# Altium PCB LPCXpresso55SXX.PcbDoc (part 4 of 4) (continued)
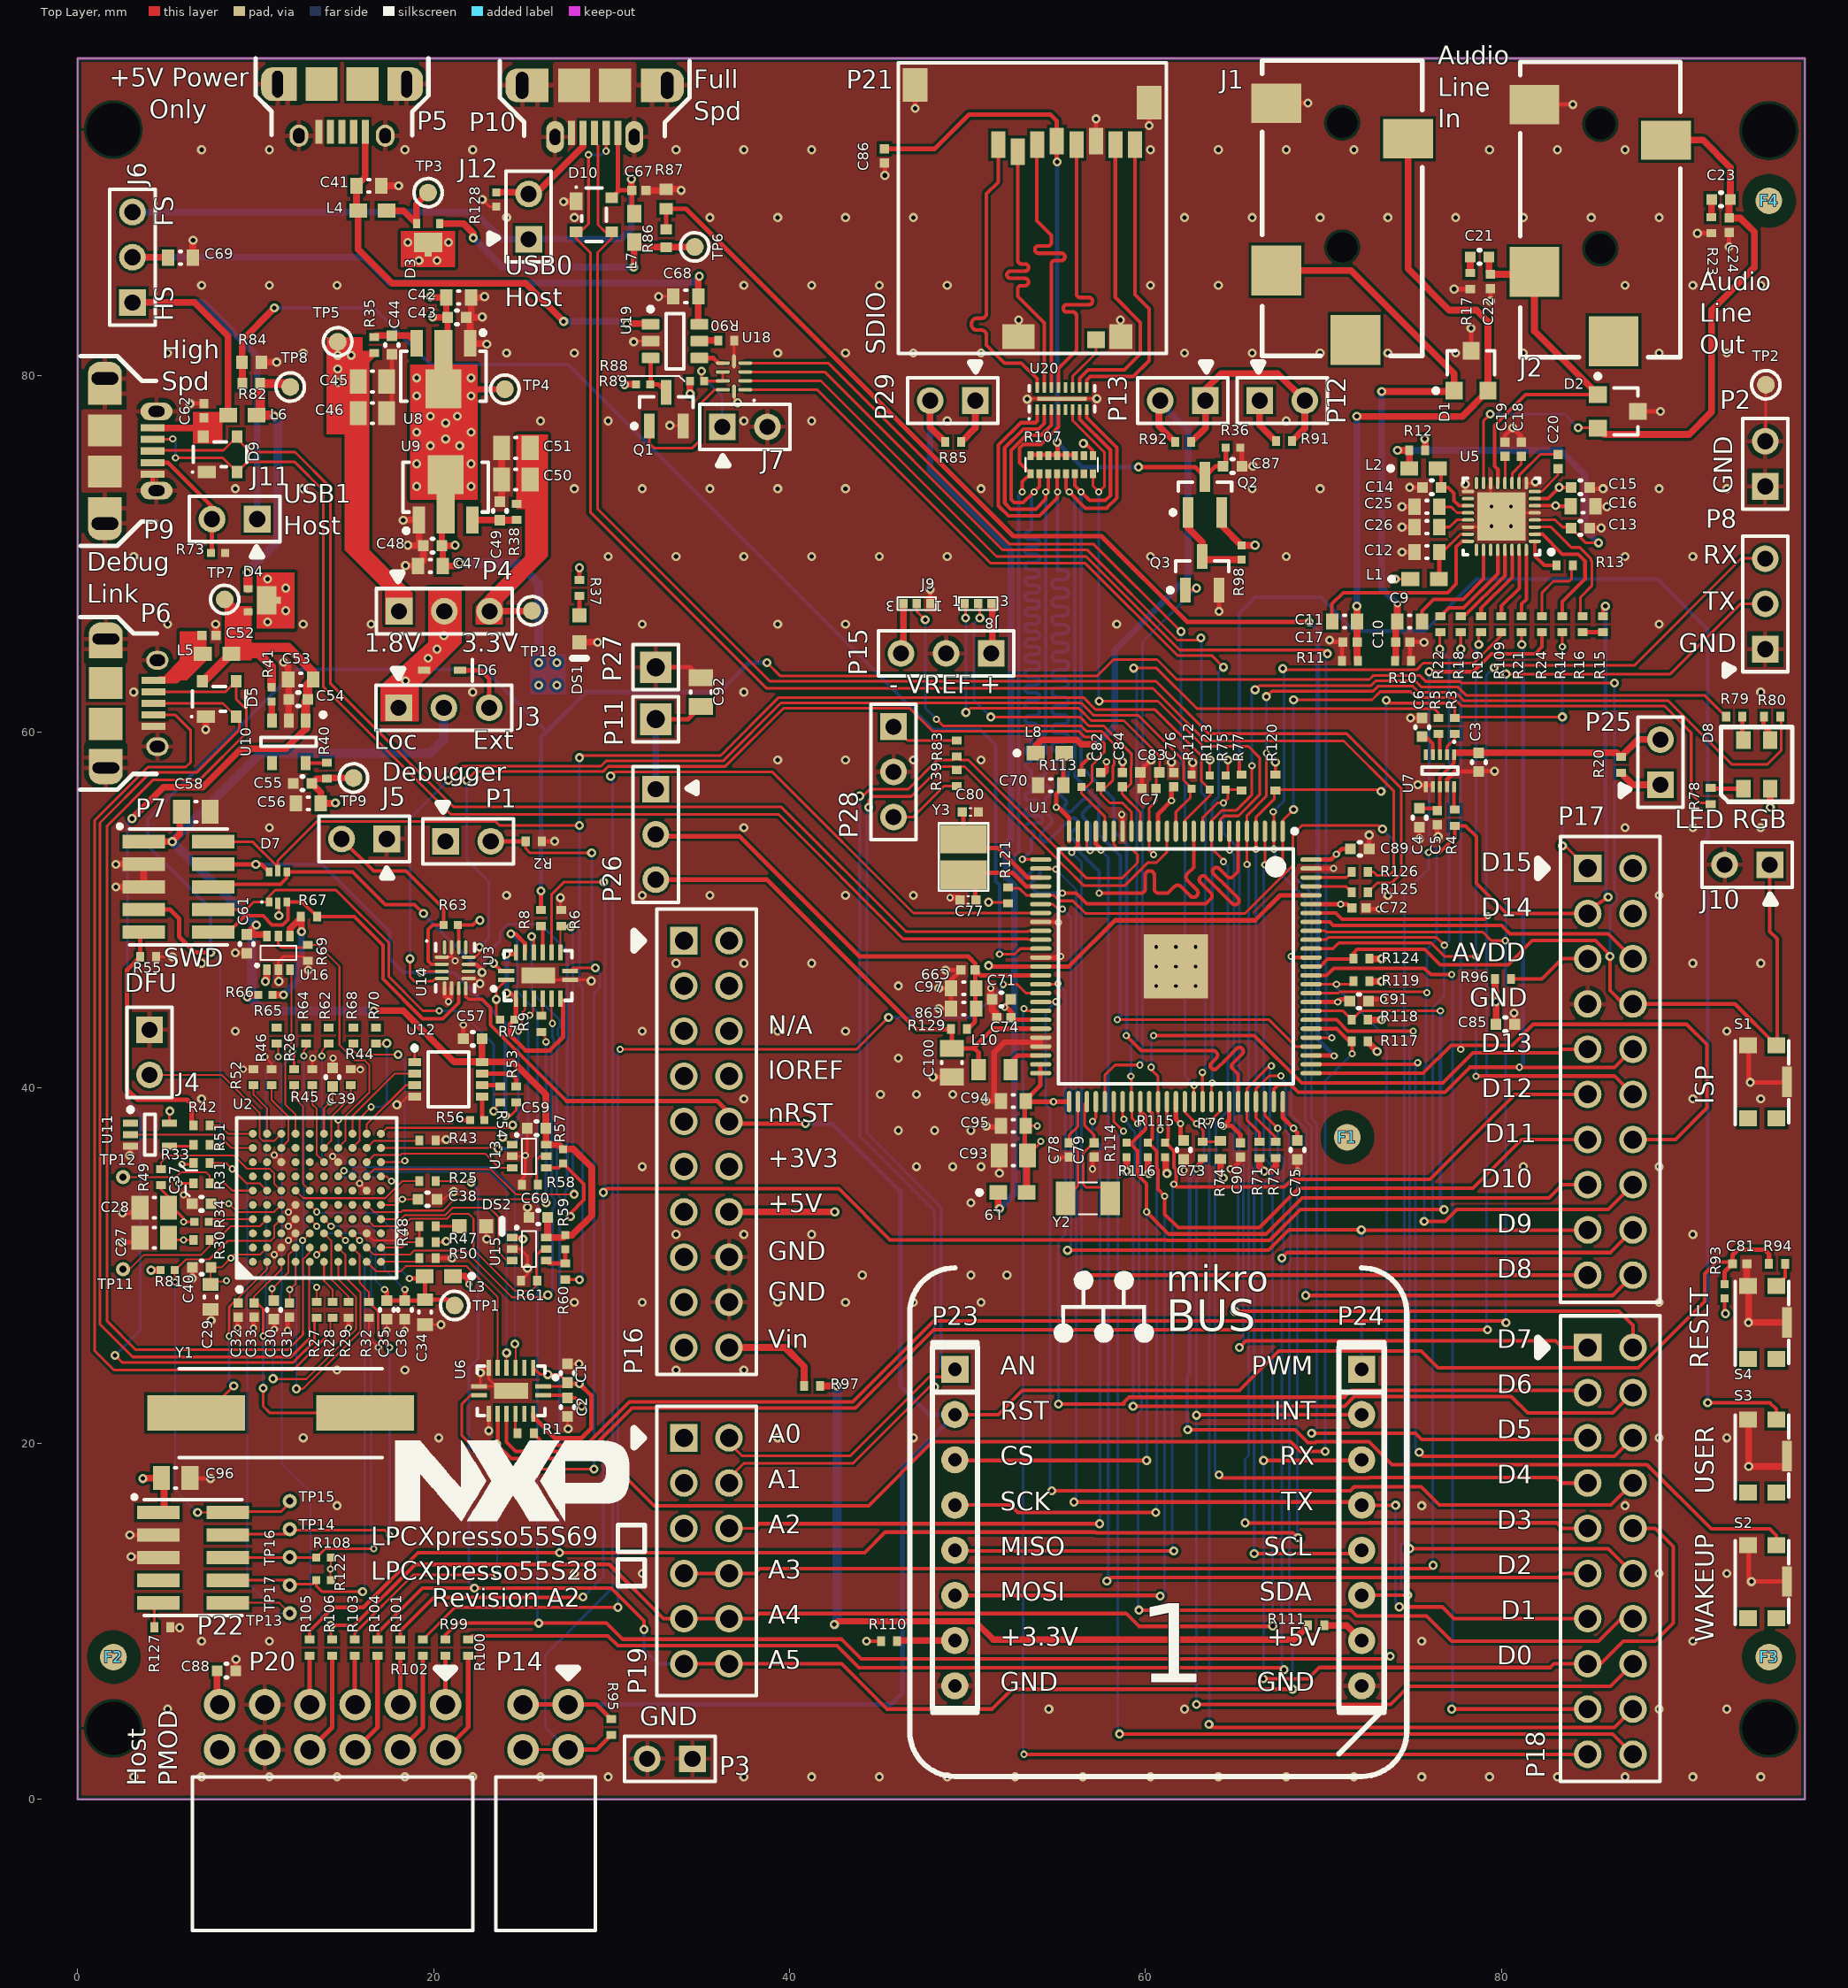
[diagram p0: Top Layer view]
## Nets (pads, with @x,y where several pads share a name; then routed paths per layer and width w, separated by ;. In a path a pad name is that pad's centre, name@x,y a point inside that pad or via, vN(x,y) a via of type N, cw(c..) or ccw(c..) an arc to the next point about the centre after c; other vN are vias at no path point) (continued)
TRACE_D2: R68.1 U2.K8 | length 10.5
  Top Layer w0.102: R68.1@15.462,42.432 15.462,42.112 15.716,41.858 v1(18.002,41.858) ; U2.K8@17.036,35.813 18.307,35.813 v2(18.383,35.889)
  Bottom Layer w0.102: v1(18.002,41.858) 18.383,41.477 v2(18.383,35.889)
TRACE_D3: R70.1 U2.H9 | length 7.7
  Top Layer w0.102: U2.H9@15.436,36.613 15.836,37.013 15.836,38.273 v2(16.478,38.915) ; R70.1@16.732,42.424 17.298,42.424 v1(17.367,42.493)
  Bottom Layer w0.102: v2(16.478,38.915) 17.071,38.915 17.367,39.211 v1(17.367,42.493)
U\S\B\0\_\O\V\E\R\C\U\R\R\E\N\T\: U1.66 U18.3 | length 58.2
  Top Layer w0.152: U18.3@37.506,80.221 41.97,80.221 51.96,70.231 56.722,70.231 61.802,65.151 62.992,65.151 v1(63.119,65.278) ; v2(63.207,40.855) 63.207,39.221 U1.66@63.215,39.212
  Bottom Layer w0.152: v1(63.119,65.278) 63.144,65.253 63.144,56.617 63.373,56.388 63.373,41.021 v2(63.207,40.855)
U\S\B\0\_\P\O\R\T\P\W\R\: U1.67 U18.1 | length 58
  Top Layer w0.152: U18.1@37.506,79.221 41.556,79.221 51.308,69.469 56.621,69.469 61.803,64.287 63.729,64.287 v1(64.389,63.627) ; U1.67@63.715,39.212 63.715,40.22 v2(63.754,40.259)
  Bottom Layer w0.152: v2(63.754,40.259) 63.754,55.983 64.11,56.338 64.11,63.348 v1(64.389,63.627)
U\S\B\1\_\O\V\E\R\C\U\R\R\E\N\T\: U1.65 U18.4 | length 57.5
  Top Layer w0.152: U18.4@37.506,80.721 42.177,80.721 52.363,70.536 57.099,70.536 v1(62.001,65.634) ; U1.65@62.715,39.212 62.715,40.109 v2(62.738,40.132)
  Bottom Layer w0.152: v1(62.001,65.634) 62.001,58.209 62.23,57.981 62.23,40.64 v2(62.738,40.132)
U\S\B\1\_\P\O\R\T\P\W\R\: U1.80 U18.2 | length 62
  Top Layer w0.152: U18.2@37.506,79.721 41.763,79.721 51.634,69.85 56.671,69.85 61.929,64.592 70.028,64.592 v1(70.231,64.389) ; U1.80@69.315,42.812 70.472,42.812 v2(70.485,42.799)
  Bottom Layer w0.152: v1(70.231,64.389) 70.148,64.306 70.148,43.136 v2(70.485,42.799)
USB0_FS_HOST_VBUS: C67.2 D10.4 J6.3 J12.1 L7.1 P10.1 | length 38.3
  Top Layer w0.254: D10.4@30.007,90.002 30.348,90.343 ; P10.1@30.348,93.65 30.348,90.343 ; L7.1@31.267,89.116 31.14,89.243 C67.2@31.14,90.426 30.431,90.426 30.348,90.343
  Top Layer w0.381: v1(31.115,91.059) 31.115,90.452 C67.2@31.14,90.426
  Bottom Layer w0.381: J6.3@3.073,89.205 22.301,89.205 23.825,87.681 J12.1@25.343,87.681 30.531,87.681 31.115,88.265 v1(31.115,91.059)
USB0_FS_N: D10.2 P10.2 R126.1 | length 80.8
  Top Layer w0.152: v2(28.702,92.431) 28.702,88.544 28.26,88.102 D10.2@28.007,88.102 28.007,87.726 28.804,86.929 28.804,72.349 38.719,62.433 60.436,62.433 63.382,59.487 71.145,59.487 73.965,56.667 73.965,52.197 73.685,51.918 73.025,51.918 72.822,52.121 R126.1@72.503,52.121 ; v2(29.693,92.634) 29.698,92.639 P10.2@29.698,93.65
  Bottom Layer w0.152: v2(28.702,92.431) 29.439,92.431 29.591,92.583 29.616,92.558 v2(29.693,92.634)
USB0_FS_P: D10.3 P10.3 R125.1 | length 80.8
  Top Layer w0.152: P10.3@29.048,93.65 29.048,93.126 29.235,92.939 29.235,88.494 29.627,88.102 D10.3@30.007,88.102 30.007,87.726 29.21,86.929 29.21,72.517 38.887,62.84 60.604,62.84 63.551,59.893 71.314,59.893 74.371,56.836 74.371,52.029 73.854,51.511 73.037,51.511 R125.1@72.503,50.978
USB0_RREF_LINK: R29.1 U2.F3 | length 4.4
  Top Layer w0.102: U2.F3@13.836,31.813 14.236,31.413 14.236,29.241 15.208,28.269 R29.1@15.208,27.957
USB0_VBUS: R86.2 R87.2 U1.78 | length 73.2
  Top Layer w0.254: R86.2@33.071,88.232 33.064,88.238 R87.2@33.064,89.391 34.18,89.391 52.578,70.993 57.531,70.993 62.357,66.167 v1(69.215,66.167) ; U1.78@69.315,41.812 70.583,41.812 v2(70.612,41.783)
  Bottom Layer w0.254: v1(69.215,66.167) 69.698,65.684 69.698,42.697 v2(70.612,41.783)
USB1_HS_HOST_VBUS: C62.2 D9.4 J6.1 J11.1 L6.1 P9.1 | length 33.6
  Top Layer w0.381: J6.1@3.073,84.125 6.553,84.125 8.446,82.232 L6.1@8.446,77.794 8.3,77.648 C62.2@7.087,77.648 7.051,77.612 D9.4@7.051,76.59 6.564,77.078 P9.1@4.199,77.078
  Bottom Layer w0.381: J6.1@3.073,84.125 7.061,84.125 10.084,81.102 J11.1@10.084,71.952
USB1_HS_N: D9.2 P9.2 U1.35 | length 69
  Top Layer w0.152: P9.2@4.199,76.428 5.181,76.428 5.207,76.454 v2(5.334,76.454) ; v2(5.486,75.387) 8.154,75.387 D9.2@8.951,74.59 9.519,75.159 12.192,75.159 13.801,73.55 13.801,62.526 20.963,55.364 39.378,55.364 46.383,48.359 53.392,48.359 53.439,48.312 U1.35@54.115,48.312
  Bottom Layer w0.152: v2(5.334,76.454) 5.486,76.302 v2(5.486,75.387)
USB1_HS_P: D9.3 P9.3 U1.34 | length 68.3
  Top Layer w0.152: P9.3@4.199,75.778 4.24,75.819 8.18,75.819 D9.3@8.951,76.59 9.027,76.514 9.027,76.387 9.697,75.717 12.208,75.717 14.207,73.718 14.207,62.695 21.131,55.77 39.546,55.77 46.551,48.765 53.392,48.765 53.439,48.812 U1.34@54.115,48.812
USB1_VBUS: R82.2 R84.2 U1.36 | length 70
  Top Layer w0.152: v2(51.8,47.5) 52.656,47.5 52.968,47.812 U1.36@54.115,47.812
  Top Layer w0.381: R82.2@9.254,79.572 9.254,80.747 R84.2@9.229,80.772 9.229,82 v1(11.049,83.82)
  Bottom Layer w0.203: v1(11.049,83.82) 16.637,83.82 19.812,80.645 27.559,80.645 48.069,60.134 50.705,60.134 51.581,59.258 51.581,51.591 51.8,51.371 v2(51.8,47.5)
USB_FS_VBUS_TRGT: D3.2 L7.2 R86.1 TP6.1 | length 17
  Top Layer w0.381: D3.2@20.335,88.557 21.679,88.557 22.225,88.011 v1(22.225,87.757) ; v1(31.242,86.106) 31.267,86.131 L7.2@31.267,87.516 31.552,87.232 R86.1@33.071,87.232 34.654,87.232 TP6.1@34.671,87.249
  Bottom Layer w0.381: v1(22.225,87.757) 23.876,86.106 v1(31.242,86.106)
USB_HOST_VBUS: C68.2 C69.2 J6.2 U19.6 | length 37.4
  Top Layer w0.381: J6.2@3.073,86.665 5.04,86.665 C69.2@5.066,86.639 ; v1(34.925,85.598) 34.872,85.545 C68.2@34.872,84.465 34.872,82.966 U19.6@34.937,82.901
  Bottom Layer w0.381: J6.2@3.073,86.665 16.078,86.665 17.526,85.217 34.544,85.217 v1(34.925,85.598)
USB_HS_VBUS_TRGT: D4.2 L6.2 R82.1 TP8.1 | length 15.2
  Top Layer w0.508: v1(9.525,68.961) 9.563,68.923 D4.2@9.563,68.036 ; v1(11.049,77.724) 10.979,77.794 L6.2@10.046,77.794 10.254,78.002 R82.1@10.254,79.572 11.741,79.572 TP8.1@11.938,79.375
  Bottom Layer w0.508: v1(9.525,68.961) 11.24,70.676 11.24,77.533 v1(11.049,77.724)
USB_ID: P6.4 R28.1 | length 56.3
  Top Layer w0.102: 14.192,26.358 14.192,26.93 R28.1@14.319,27.057
  Top Layer w0.152: P6.4@4.25,60.943 5.478,60.943 6.35,60.071 6.35,58.293 6.071,58.014 3.947,58.014 0.94,55.006 0.94,25.222 2.032,24.13 12.105,24.13 14.192,26.217 14.192,26.358
USB_LINK_D_N: D5.3 P6.2 U2.E2 | length 63
  Top Layer w0.102: 12.659,26.324 12.659,30.369 13.036,30.747 U2.E2@13.036,31.013
  Top Layer w0.152: P6.2@4.25,62.243 8.294,62.243 D5.3@8.9,62.849 8.9,61.839 9.474,61.265 9.474,59.928 6.849,57.302 4.242,57.302 1.651,54.712 1.651,26.873 3.251,25.273 11.811,25.273 12.659,26.121 12.659,26.324
USB_LINK_D_P: D5.2 P6.3 U2.E1 | length 61
  Top Layer w0.102: 13.003,26.492 13.003,30.066 U2.E1@13.036,30.099
  Top Layer w0.152: P6.3@4.25,61.593 8.156,61.593 D5.2@8.9,60.849 9.068,60.681 9.068,60.096 6.68,57.709 4.073,57.709 1.245,54.88 1.245,26.705 3.083,24.867 11.979,24.867 12.946,25.833 ; 13.003,25.89 13.003,26.492
VCCB: C57.1 C58.2 C59.1 C60.1 C61.1 J3.2 P7.1 R57.2 R59.2 R66.2 U12.8 U13.6 U15.6 U16.6 | length 69.7
  Top Layer w0.381: P7.1@3.708,53.823 v1(5.309,53.823) 5.734,54.248 C58.2@5.734,55.601 ; v1(9.525,45.085) 9.652,45.212 R66.2@10.141,45.212 ; v1(10.033,49.146) C61.1@9.493,48.606 10.538,48.606 U16.6@10.621,48.523 ; v1(16.637,44.323) 18.288,44.323 21.155,41.456 U12.8@22.718,41.456 ; C57.1@22.718,42.747 U12.8@22.718,41.456 ; C60.1@26.401,32.714 26.401,31.669 U15.6@26.318,31.586 27.269,31.586 R59.2@27.4,31.717 27.78,31.717 28.892,32.829 28.892,35.496 27.846,36.543 R57.2@27.273,36.543 27.023,36.793 U13.6@26.318,36.793 26.318,37.707 C59.1@26.306,37.719 26.306,39.607 24.47,41.443 U12.8@22.731,41.443 U12.8@22.718,41.456
  Bottom Layer w0.508: v1(16.637,44.323) 10.439,44.323 9.677,45.085 v1(9.525,45.085) 9.779,45.339 9.779,48.892 v1(10.033,49.146) 9.985,49.146 v1(5.309,53.823) 10.287,58.801 19.812,58.801 20.574,59.563 J3.2@20.574,61.341
VDD_CODEC: C13.1 L2.1 R12.1 U5.4 | length 21
  Top Layer w0.152: U5.4@81.888,71.906 83.034,71.906 83.439,71.501 83.873,71.501 C13.1@83.923,71.45 84.762,70.612 v1(85.471,70.612)
  Top Layer w0.381: v1(74.168,75.819) R12.1@74.829,75.819 74.835,75.813 L2.1@74.835,74.803
  Bottom Layer w0.381: v1(74.168,75.819) 83.312,75.819 84.709,74.422 84.709,71.374 v1(85.471,70.612)
VDD_SD: C86.2 C87.1 P21.4 Q2.3 R36.2 R107.11 R107.12 R107.13 R107.14 R107.15 R107.16 | length 43.4
  Top Layer w0.254: C86.2@45.332,92.755 48.151,92.755 50.088,94.692 54.66,94.692 55.025,94.327 P21.4@55.025,93.191 55.025,92.041 v1(55.041,92.025) ; R107.16@53.564,75.558 R107.13@55.064,75.558 ; v1(55.041,76.277) 55.064,76.254 R107.13@55.064,75.558 ; R107.11@56.064,75.558 R107.13@55.064,75.558 ; v1(59.613,74.88) 62.791,74.88 Q2.3@63.348,74.323 63.954,74.93 C87.1@64.372,74.93 64.522,75.08 R36.2@64.522,75.971
  Bottom Layer w0.254: v1(55.041,92.025) v1(55.041,76.277) 56.438,74.88 v1(59.613,74.88)
VDD_TARGET: C2.1 C85.1 C88.1 D6.2 D8.2 J3.1 P4.2 P12.1 P16.8 P16.12 P20.11 P20.12 P25.1 Q2.2 R12.2 R20.2 R37.2 R63.2 R71.2 R72.2 R74.2 R75.2 R88.2 R89.2 R91.1 R93.2 R96.2 R98.2 R107.9 R110.1 R113.2 R114.2 R115.2 R116.2 R117.2 R118.2 R119.2 R120.2 R121.2 R123.2 R124.1 U3.16 U6.16 U14.14 U18.10 | length 46.3
  Top Layer w0.152: U18.10@36.881,79.121 36.881,78.689 v1(37.084,78.486) ; v1(51.181,50.419) 51.2,50.4 R121.2@52.292,50.4 ; R123.2@63.627,57.55 v1(63.627,58.42) ; R75.2@64.516,57.55 64.643,57.677 v1(64.643,58.42) ; R120.2@67.31,57.55 R120.2@67.31,57.6 v1(67.31,58.293)
  Top Layer w0.203: P20.11@7.825,5.478 P20.11@7.969,5.334 ; U14.14@21.409,47.886 21.409,49.095 R63.2@21.355,49.149 22.207,49.149 22.533,49.476 v1(22.606,49.403) ; v1(23.368,46.99) 23.805,46.553 U3.16@24.076,46.553 ; U6.16@26.147,22.715 27.383,22.715 C2.1@27.527,22.571 27.975,22.571 28.321,22.225 v1(28.321,22.098) ; v1(44.323,8.89) R110.1@45.143,8.89 ; R113.2@56.4,57.7 56.4,58.127 v2(56.896,58.623) ; v1(56.515,76.2) 56.642,76.2 57.023,75.819 57.023,75.529 R107.9@57.045,75.507 ; R93.2@92.551,28.166 92.551,27.349 v1(92.6,27.3)
  Top Layer w0.254: R37.2@28.194,68.54 v1(28.194,69.215)
  Top Layer w0.381: P20.11@7.825,5.478 C88.1@7.825,7.239 ; J3.1@18.034,61.341 18.034,62.484 v1(18.415,62.865) v1(19.685,64.135) v1(20.193,64.643) 20.599,65.049 P4.2@20.599,66.777 ; v1(30.734,79.502) 30.759,79.527 R89.2@31.375,79.527 ; R88.2@34.398,79.705 34.398,79.013 v1(34.417,78.994) ; v1(58.928,35.306) 58.947,35.325 R114.2@58.947,36.1 ; R116.2@60.147,36.1 60.147,35.23 v1(60.198,35.179) ; R115.2@61.112,36.1 61.151,36.062 61.151,35.242 v1(61.214,35.179) ; R74.2@64.205,36.1 64.224,36.08 64.224,35.09 v1(64.389,34.925) ; Q2.2@64.298,72.323 64.298,71.579 R98.2@65.405,70.472 66.154,70.472 v1(66.167,70.485) ; R71.2@66.414,36.05 66.414,35.567 v1(66.675,35.306) 67.056,35.306 67.329,35.579 R72.2@67.329,36.05 ; P12.1@66.421,78.613 66.421,77.242 R91.1@67.336,76.327 ; R117.2@72.503,42.596 72.503,42.559 v1(73.025,42.037) ; R118.2@72.503,43.815 v1(73.279,43.815) ; R119.2@72.586,45.974 v1(73.279,45.974) ; R124.1@72.586,47.244 v1(73.279,47.244) ; v1(75.692,76.454) 75.729,76.417 R12.2@75.729,75.819 ; R96.2@79.655,46.101 79.655,45.44 79.707,45.388 v1(79.707,44.831) C85.1@79.707,43.561 ; R20.2@86.734,57.691 87.402,57.023 P25.1@88.944,57.023 ; D8.2@95.111,56.791 95.111,55.765 v1(95.123,55.753)
  other v1: 20.574,65.405
VDD_TARGET_1.8: C15.1 C16.2 C45.2 C46.2 L1.1 P4.1 R35.1 TP5.1 U5.6 U5.7 | length 25
  Top Layer w0.152: v1(74.041,68.58) L1.1@74.892,68.58 ; v1(83.058,72.706) v1@83.095,72.669
  Top Layer w0.203: U5.6@81.888,72.706 v1(83.058,72.706) ; U5.7@81.888,73.106 82.631,73.106 v1(83.261,73.736) C15.1@83.923,73.736 ; v1@83.095,72.669 C16.2@83.901,72.669
  Top Layer w0.381: v1(14.605,79.629) v1(14.605,80.391) v1(14.605,81.153) ; TP5.1@14.605,81.915 v1(14.605,81.153) ; R35.1@16.662,81.287 15.761,80.386 ; P4.1@18.059,66.777 18.059,68.047 15.761,70.345 C46.2@15.761,77.902 C45.2@15.761,79.68 15.761,80.386 ; v1(14.605,81.153) v1(15.367,81.153) 15.761,80.759 15.761,80.386
VDD_TARGET_3.3: C50.2 C51.2 P4.3 R38.1 TP18.1 U1.38 U1.96 | length 34.1
  Top Layer w0.254: v1(51.181,46.863) 51.232,46.812 U1.38@54.115,46.812 55.702,46.812 58.293,49.403 66.167,49.403 67.576,50.812 U1.96@69.315,50.812
  Top Layer w0.381: R38.1@24.663,72.815 25.419,73.57 C50.2@25.419,74.177 ; C51.2@25.419,75.955 C50.2@25.419,74.177 ; TP18.1@25.527,66.802 25.502,66.777 P4.3@23.139,66.777 23.139,67.589 25.527,69.977 25.527,74.069 C50.2@25.419,74.177
VDD_TARGET_ACL: C3.1 C4.1 C5.2 P25.2 R20.1 U7.1 U7.8 | length 16.9
  Top Layer w0.203: C4.1@75.406,55.694 76.272,55.694 C5.2@76.397,55.569 76.549,55.721 76.549,57.45 77.343,58.244 77.343,58.764 77.597,58.764
  Top Layer w0.381: U7.1@77.445,58.826 78.74,58.826 86.507,58.818 R20.1@86.734,58.591 87.707,59.563 P25.2@88.944,59.563
VDDA_TARGET: C7.2 C83.1 C93.2 C94.2 C95.2 J8.1 L9.2 U1.16 U1.49 U1.50 U1.51 | length 36.6
  Top Layer w0.152: J8.1@49.85,67.2 49.9,67.15 v1(49.9,66.4) ; v1(49.911,61.087) 50.14,61.316 56.266,61.316 56.952,60.63 58.798,60.63 60.808,58.62 60.808,57.783 60.6,57.575 C7.2@60.6,56.8 60.6,56.1 60.215,55.715 U1.16@60.215,54.412 60.215,53.323 v2(60.452,53.086) ; C93.2@53.221,36.371 53.43,36.581 C93.2@53.562,36.449 ; C95.2@53.221,37.795 53.297,37.719 53.424,37.846 v2(53.924,37.846) ; C93.2@53.562,36.205 C93.2@53.562,36.449 ; C93.2@53.684,36.327 C93.2@53.562,36.449 ; v2(54.127,36.982) 54.127,36.932 53.645,36.449 C93.2@53.562,36.449
  Top Layer w0.254: C93.2@53.221,36.371 53.221,37.795 C94.2@53.221,39.243 ; U1.49@54.139,41.312 54.102,41.275 54.102,40.124 C94.2@53.221,39.243 ; U1.51@55.715,39.212 v2(54.832,39.212) 53.251,39.212 C94.2@53.221,39.243
  Top Layer w0.381: L9.2@53.327,34.112 53.327,36.144 C93.2@53.378,36.195
  Bottom Layer w0.152: v1(49.9,66.4) 49.911,66.389 v1(49.911,61.087)
VREFN_TARGET: C82.2 J9.2 U1.18 | length 23.9
  Top Layer w0.152: J9.2@47.15,67.2 47.15,66.769 v1(47.625,66.294) ; v2(48.26,60.706) 48.641,60.325 56.394,60.325 56.699,60.02 57.532,60.02 58.242,59.31 58.242,58.14 58.166,58.063 58.166,57.262 57.73,56.826 C82.2@57.687,56.826 ; C82.2@57.5,56.9 57.5,56.5 58,56 58.713,56 59.215,55.497 U1.18@59.215,54.412
  Bottom Layer w0.152: v1(47.625,66.294) 47.625,61.341 v2(48.26,60.706)
VREFP_TARGET: C84.2 J8.2 U1.17 | length 20.9
  Top Layer w0.152: J8.2@50.6,67.2 50.7,67.1 v1(50.7,66.4) ; v1(51.308,60.833) 56.317,60.833 56.825,60.325 57.658,60.325 59.207,58.776 59.207,58.119 59.189,58.1 59.189,57.089 59,56.9 C84.2@58.7,56.9 58.7,56.5 58.854,56.346 59.715,55.485 U1.17@59.715,54.412 ; C84.2@58.823,56.826 C84.2@58.866,56.826
  Bottom Layer w0.152: v1(50.7,66.4) 50.361,66.061 50.361,61.78 v1(51.308,60.833)
WAKE/GPIO: P18.16 P24.2 R74.1 R76.2 U1.64 | length 71.5
  Top Layer w0.152: U1.64@62.215,39.212 62.215,38.623 v2(62.865,37.973) 63.246,37.592 63.246,36.982 R76.2@63.214,36.95 64.155,36.95 R74.1@64.205,36.9
  Top Layer w0.203: v1(62.865,5.334) 73.787,5.334 74.803,6.35 86.131,6.35 P18.16@87.401,7.62 ; v1(62.865,21.59) 62.901,21.626 P24.2@72.155,21.626
  Bottom Layer w0.152: v1(62.865,5.334) v1(62.865,21.59) 62.865,34.822 63.297,35.254 63.297,37.541 v2(62.865,37.973)
XTAL_RTX_N: C79.2 U1.53 Y2.2 | length 7.2
  Top Layer w0.152: U1.53@56.715,39.212 56.591,39.088 56.591,37.865 57.118,37.338 C79.2@57.118,36.9 57.075,36.9 56.514,36.339 56.514,34.545 56.653,34.406 57.669,34.406 58.019,34.056 Y2.2@58.019,33.782
XTAL_RTX_P: C78.2 U1.52 Y2.1 | length 6.1
  Top Layer w0.152: Y2.1@55.519,33.782 56.21,34.473 56.21,36.454 C78.2@55.785,36.88 ; C78.2@55.721,36.9 55.721,37.338 56.215,37.832 U1.52@56.215,39.212
pads on no net: F1.1 F2.1 F3.1 F4.1 J1.0 J1.4 J2.0 J2.4 P5.0 P5.2 P5.3 P5.4 P6.0 P16.1 P16.2 P16.3 P16.4 P16.5 P16.6 P16.7 P16.9 P16.11 P16.13 P16.15 P16.17 P16.19 P17.2 P17.4 P19.1 P19.3 P19.5 P22.7 R62.2 R64.2 R65.2 R68.2 R70.2 R107.7 R107.10 S1.3 S1.4 S2.3 S2.4 S3.3 S3.4 S4.3 S4.4 U2.A1 U2.A2 U2.A3 U2.A5 U2.A7 U2.A8 U2.B3 U2.B5 U2.B7 U2.B8 U2.B9 U2.C3 U2.C7 U2.D7 U2.D8 U2.D9 U2.E7 U2.E8 U2.E9 U2.E10 U2.F5 U2.F6 U2.F7 U2.G4 U2.G5 U2.G6 U2.H1 U2.H4 U2.H5 U2.H6 U2.H7 U2.H8 U2.K3 U2.K6 U5.16 U5.18 U5.25 U5.27 U6.3 U6.14 U7.5 U10.4 U11.1 U14.10 U14.13 U14.16 U20.5 U20.12

## Polygon pours and split planes (outlines as drawn)
GND on Bottom Layer "GND_L04_P002" (solid, remove dead copper, pour order 2): 0,97.841 0,0 97.066,0 97.066,97.841
GND on Top Layer "GND_L01_P000" (solid, remove dead copper, pour order 0): 0,97.841 0,0 97.066,0 97.066,97.841
GND on GND Plane (split plane): 96.556,0.51 0.51,0.51 0.51,97.331 96.556,97.331
+2.5V_LINK on Power Plane (split plane): 16.66,55.499 16.668,55.459 16.691,55.426 16.724,55.403 16.764,55.395 21.74,55.395 21.74,45.974 21.748,45.934 21.771,45.901 21.804,45.878 21.844,45.87 28.725,45.87 28.725,22.837 15.24,22.837 15.2,22.829 15.167,22.806 15.144,22.773 15.136,22.733 15.136,11.407 0.51,11.407 0.51,59.967 16.66,59.967
VDD_TARGET on Power Plane (split plane): 96.556,0.51 0.51,0.51 0.51,11.199 15.24,11.199 15.28,11.207 15.313,11.23 15.336,11.263 15.344,11.303 15.344,22.629 28.829,22.629 28.869,22.637 28.902,22.66 28.925,22.693 28.933,22.733 28.933,45.974 28.925,46.014 28.902,46.047 28.869,46.07 28.829,46.078 21.948,46.078 21.948,55.499 21.94,55.539 21.917,55.572 21.884,55.595 21.844,55.603 16.868,55.603 16.868,60.071 16.86,60.111 16.837,60.144 16.804,60.167 16.764,60.175 0.51,60.175 0.51,91.897 1.27,91.897 1.27,92.583 0.51,92.583 0.51,97.331 96.556,97.331
+5V on Power Plane (split plane): 26.947,68.43 22.225,68.43 22.223,68.429 14.224,68.429 14.184,68.421 14.15,68.399 14.128,68.365 14.12,68.326 14.12,64.747 9.883,64.747 9.883,78.382 17.653,78.382 17.693,78.39 17.726,78.413 17.749,78.446 17.757,78.486 17.757,88.669 26.947,88.669
VDD_TARGET_1.8 on Power Plane (split plane): 84.986,67.414 73.383,67.414 73.383,69.111 82.296,69.111 82.336,69.119 82.369,69.142 82.392,69.175 82.4,69.215 82.4,84.074 82.4,88.773 82.392,88.813 82.369,88.846 82.336,88.869 82.296,88.877 17.653,88.877 17.613,88.869 17.58,88.846 17.557,88.813 17.549,88.773 17.549,78.59 13.82,78.59 13.82,88.773 13.82,91.794 84.986,91.794
+5V on Power Plane (split plane): 44.6,22.456 41.455,22.456 41.455,38.151 41.455,60.071 41.447,60.111 41.424,60.144 41.391,60.167 41.351,60.175 22.329,60.175 22.329,65.174 44.6,65.174
VDDA_TARGET on Power Plane (split plane): 61.205,52.578 61.205,48.641 61.205,47.912 60.615,47.912 60.615,45.712 61.205,45.712 61.205,40.259 61.205,38.839 59.912,38.839 59.872,38.831 59.839,38.808 59.816,38.775 59.808,38.735 59.808,36.299 51.804,36.299 51.804,40.663 57.626,40.663 57.666,40.671 57.699,40.694 57.722,40.727 57.73,40.767 57.73,50.292 57.73,52.578 57.73,53.848 57.73,54.125 61.205,54.125
VDD_TARGET_3.3 on Power Plane (split plane): 50.442,48.768 50.45,48.728 50.473,48.695 50.506,48.672 50.546,48.664 51.596,48.664 51.596,46.205 47.475,46.205 47.475,65.278 47.467,65.318 47.444,65.351 47.411,65.374 47.371,65.382 22.329,65.382 22.329,68.222 50.442,68.222
3V3_TRGT_VDDREG on Power Plane (split plane): 56.157,56.769 56.165,56.729 56.188,56.696 56.221,56.673 56.261,56.665 71.238,56.665 71.238,54.483 71.246,54.443 71.269,54.41 71.492,54.186 71.492,36.299 60.016,36.299 60.016,38.631 61.309,38.631 61.349,38.639 61.382,38.662 61.405,38.695 61.413,38.735 61.413,45.712 62.815,45.712 62.815,47.912 61.413,47.912 61.413,48.641 61.413,52.578 61.413,54.229 61.405,54.269 61.382,54.302 61.349,54.325 61.309,54.333 57.626,54.333 57.586,54.325 57.553,54.302 57.53,54.269 57.522,54.229 57.522,53.848 57.522,52.578 57.522,50.292 57.522,40.871 51.804,40.871 51.804,45.997 51.846,45.997 51.886,46.005 51.92,46.028 51.942,46.061 51.95,46.101 51.942,46.141 51.92,46.174 51.886,46.197 51.846,46.205 51.804,46.205 51.804,58.697 56.157,58.697
NetL8_1 on Power Plane (split plane): 61.971,76.829 49.229,76.829 49.229,80.271 61.971,80.271

## Keep-outs
Keep-Out Layer:
  the board outline again, w0.127

## Other copper
Top Layer:
  rectangle net +5V: 18.669,73.025 22.479,80.645
  rectangle net VDD_TARGET_1.8: 13.97,76.708 16.002,82.169
  rectangle net VDD_TARGET_1.8: 14.986,70.231 16.383,81.407
  rectangle net VDD_TARGET_3.3: 24.638,72.517 26.416,76.708
  rectangle net VDD_TARGET_3.3: 25.146,69.85 26.416,72.517
  rectangle net VDD_TARGET: 19.685,65.024 21.59,68.072
  rectangle net VDD_TARGET: 17.018,60.579 19.177,62.611
  rectangle net USB1_HS_HOST_VBUS: 6.477,76.2 8.128,77.978
  rectangle net NetC52_2: 5.715,64.008 7.239,65.659
  rectangle net +5V_LINK: 8.255,64.008 9.779,67.056
  rectangle net +5V: 18.161,86.106 21.209,88.138
  rectangle net +5V: 10.033,65.786 12.192,68.961
  pour cut-out: 71.359,38.704 cw(c71.359,37.205) 72.857,37.205 cw(c71.359,37.205) 71.359,35.707 cw(c71.359,37.205) 69.86,37.205 69.86,37.256 cw(c71.308,37.256) 71.308,38.704
  pour cut-out: 95.062,91.328 cw(c95.062,89.83) 96.56,89.83 cw(c95.062,89.83) 95.062,88.331 cw(c95.062,89.83) 93.563,89.83 93.563,89.881 cw(c95.011,89.881) 95.011,91.328
  pour cut-out: 95.046,9.501 cw(c95.046,8.003) 96.544,8.003 cw(c95.046,8.003) 95.046,6.504 cw(c95.046,8.003) 93.547,8.003 93.547,8.054 cw(c94.995,8.054) 94.995,9.501
  pour cut-out: 2.024,9.497 cw(c2.024,7.999) 3.523,7.999 cw(c2.024,7.999) 2.024,6.5 cw(c2.024,7.999) 0.526,7.999 0.526,8.05 cw(c1.974,8.05) 1.974,9.497
  region net VDD_TARGET_1.8: 14.986,70.231 17.272,67.945 17.272,66.04 18.796,66.04 18.796,67.818 18.669,67.945 16.383,70.231
  region net VDD_TARGET_3.3: 25.146,69.85 22.352,67.056 22.352,66.04 23.876,66.04 23.876,67.31 26.416,69.85
  region net VDD_TARGET: 17.018,62.611 19.685,65.024 21.59,65.024 19.177,62.611
  region net NetC52_2: 7.239,64.008 5.715,64.008 4.826,63.119 4.572,63.119 4.572,62.865 4.6,62.893 6.124,62.893
Bottom Layer:
  rectangle net +5V: 25.4,62.103 27.432,64.389
GND Plane (plane layer: these items are gaps in the copper):
  pour cut-out: 25.908,63.881 25.908,62.611 26.924,62.611 26.924,63.881
  pour cut-out: 19.812,77.724 19.05,76.962 19.05,76.835 19.812,76.073 21.463,76.073 21.463,76.2 22.098,76.835 21.336,77.597 21.336,77.724
Power Plane (plane layer: these items are gaps in the copper):
  pour cut-out: 79.629,72.873 79.455,72.699 79.455,71.551 80.555,71.551 80.555,72.651 79.455,72.651
  pour cut-out: 85.09,71.73 85.674,71.73 85.674,73.381 85.649,73.406 85.09,73.406
  pour cut-out: 60.615,47.912 62.815,47.912 62.815,45.712 60.615,45.712
  pour cut-out: 0,91.897 0,92.583 1.27,92.583 1.27,91.897
  lines w0.203: 0,11.303 15.24,11.303 15.24,22.733 28.829,22.733 28.829,45.974 21.844,45.974 21.844,55.499 16.764,55.499 16.764,60.071 0,60.071 0,61.468 ; 16.072,80.899 16.281,80.899 ; 27.051,68.326 27.051,88.773 ; 41.351,37.846 41.351,60.071 22.225,60.071 22.225,65.278 ; 41.351,38.151 41.351,22.352 44.704,22.352 44.704,65.278 ; 51.7,40.767 56.61,40.767 57.626,40.767 57.626,50.292 57.626,52.578 57.626,53.848 57.626,54.229 61.309,54.229 61.309,52.578 61.309,48.641 ; 51.7,48.768 50.546,48.768 50.546,68.326 22.225,68.326 ; 51.846,46.101 49.784,46.101 47.371,46.101 47.371,65.278 22.225,65.278 ; 59.912,36.195 59.912,38.735 61.309,38.735 61.309,48.641 ; 61.309,40.259 61.309,48.641 ; 13.716,78.486 13.716,88.773 13.716,91.897 85.09,91.897 85.09,67.31 73.279,67.31 73.279,69.215 82.296,69.215 82.296,84.074 82.296,88.773 44.704,88.773 17.653,88.773 17.653,78.486 13.716,78.486 ; 13.716,78.486 9.779,78.486 9.779,64.643 14.224,64.643 14.224,68.326 22.225,68.326 ; 22.225,65.278 22.225,68.326 ; 51.7,36.195 51.7,58.801 53.435,58.801 54.578,58.801 56.261,58.801 56.261,56.769 71.342,56.769 71.342,54.483 71.596,54.229 71.596,36.195 51.7,36.195
  lines w0.254: 49.1,76.7 62.1,76.7 62.1,80.4 49.1,80.4 49.1,76.7

## Silkscreen, mask and mechanical layers (free items; w line width, h text height)
Top Overlay:
  drawing of 1618 lines, arcs and shapes, not listed
  text "+5V Power /      Only" at 1.778,94.132 h1.78
  text "Full / Spd" at 34.62,94.031 h1.78
  text "Audio / Line / In" at 76.422,93.599 h1.78
  text "FS" at 5.715,88.392 h1.78 r90
  text "USB0 / Host" at 24.003,83.566 h1.78
  text "HS" at 5.715,83.058 h1.78 r90
  text "SDIO" at 45.7,81.2 h1.78 r90
  text "Audio / Line / Out" at 91.154,80.899 h1.78
  text "High / Spd" at 4.724,78.842 h1.78
  text "GND" at 93.345,73.373 h1.78 r90
  text "USB1 / Host" at 11.557,70.739 h1.78
  text "RX" at 91.338,69.088 h1.78
  text "Debug / Link" at 0.508,66.904 h1.78
  text "TX" at 91.338,66.472 h1.78
  text "1.8V" at 16.097,64.135 h1.78
  text "3.3V" at 21.558,64.135 h1.78
  text "GND" at 89.992,64.11 h1.78
  text "- VREF +" at 45.6,61.8 h1.78
  text "Loc       Ext /  Debugger" at 16.637,56.896 h1.78
  text "LED RGB" at 89.757,54.229 h1.78
  text "D15" at 78.867,51.816 h1.78
  text "D14" at 78.88,49.276 h1.78
  text "AVDD" at 77.261,46.736 h1.78
  text "SWD" at 4.801,46.457 h1.78
  text "DFU" at 2.635,45.033 h1.78
  text "GND" at 78.232,44.196 h1.78
  text "N/A" at 38.786,42.672 h1.78
  text "D13" at 78.875,41.656 h1.78
  text "IOREF" at 38.786,40.132 h1.78
  text "D12" at 78.887,39.116 h1.78
  text "ISP" at 92.296,39.061 h1.78 r90
  text "nRST" at 38.786,37.719 h1.78
  text "D11" at 79.096,36.576 h1.78
  text "+3V3" at 38.786,35.179 h1.78
  text "D10" at 78.879,34.036 h1.78
  text "+5V" at 38.786,32.639 h1.78
  text "D9" at 79.759,31.496 h1.78
  text "GND" at 38.786,29.972 h1.78
  text "D8" at 79.759,28.956 h1.78
  text "mikro" at 61.157,28.055 h2.51
  text "GND" at 38.786,27.686 h1.78
  text "BUS" at 61.157,25.718 h3.09
  text "Vin" at 38.787,25.019 h1.78
  text "D7" at 79.761,25.019 h1.78
  text "RESET" at 92,24.231 h1.78 r90
  text "AN" at 51.835,23.52 h1.78
  text "PWM" at 65.977,23.52 h1.78
  text "D6" at 79.761,22.479 h1.78
  text "RST" at 51.835,20.98 h1.78
  text "INT" at 67.24,20.98 h1.78
  text "D5" at 79.753,19.939 h1.78
  text "A0" at 38.786,19.685 h1.78
  text "CS" at 51.835,18.44 h1.78
  text "RX" at 67.549,18.44 h1.78
  text "D4" at 79.766,17.399 h1.78
  text "USER" at 92.296,17.164 h1.78 r90
  text "A1" at 38.786,17.145 h1.78
  text "SCK" at 51.835,15.9 h1.78
  text "TX" at 67.638,15.9 h1.78
  text "D3" at 79.761,14.859 h1.78
  text "A2" at 38.786,14.605 h1.78
  text "LPCXpresso55S69" at 16.459,13.919 h1.78
  text "MISO" at 51.835,13.36 h1.78
  text "SCL" at 66.655,13.36 h1.78
  text "D2" at 79.772,12.319 h1.78
  text "A3" at 38.786,12.065 h1.78
  text "LPCXpresso55S28" at 16.459,11.989 h1.78
  text "MOSI" at 51.835,10.82 h1.78
  text "SDA" at 66.422,10.82 h1.78
  text "Revision A2" at 19.914,10.465 h1.78
  text "D1" at 79.981,9.779 h1.78
  text "A4" at 38.786,9.525 h1.78
  text "WAKEUP" at 92.296,8.838 h1.78 r90
  text "+3.3V" at 51.835,8.28 h1.78
  text "+5V" at 66.846,8.28 h1.78
  text "D0" at 79.764,7.239 h1.78
  text "A5" at 38.786,6.985 h1.78
  text "GND" at 51.835,5.74 h1.78
  text "GND" at 66.262,5.74 h1.78
  text "1" at 59.582,5.105 h7.62
  text "GND" at 31.59,3.81 h1.78
  text "Host / PMOD" at 5.937,0.762 h1.78 r90
Top Solder:
  rectangle: 36.449,79.07 37.44,79.375
  rectangle: 36.474,80.569 37.287,80.874
  region: 78.511,70.714 78.638,70.587 78.613,70.561 78.41,70.561 78.294,70.677
  region: 81.407,70.612 81.483,70.688 81.559,70.688 81.636,70.612 81.636,70.587
  region: 81.407,73.584 81.509,73.482 81.661,73.482 81.661,73.66 81.432,73.66 81.407,73.685
  region: 81.407,70.612 81.636,70.612 81.636,70.561 81.407,70.561
  region: 78.359,73.66 78.537,73.66 78.588,73.609 78.486,73.508 78.384,73.508

## Text inside footprints (layer, text, board x,y; h text height)
J8: Top Overlay "1" at 49.11,66.85 h1.02; Top Overlay "3" at 51.81,66.86 h1.02
J9: Top Overlay "1" at 48.64,67.55 h1.02 r180; Top Overlay "3" at 45.94,67.54 h1.02 r180
P5: Mechanical 1 "Board Edge" at 17.127,97.693 h1 r180
P6: Mechanical 1 "Board Edge" at 0.275,63.868 h1 r270
P9: Mechanical 1 "Board Edge" at 0.244,78.087 h1 r270
P10: Mechanical 1 "Board Edge" at 31.357,97.605 h1 r180